# Altium PCB UmTRXv21.PcbDoc (part 4 of 19) (continued)
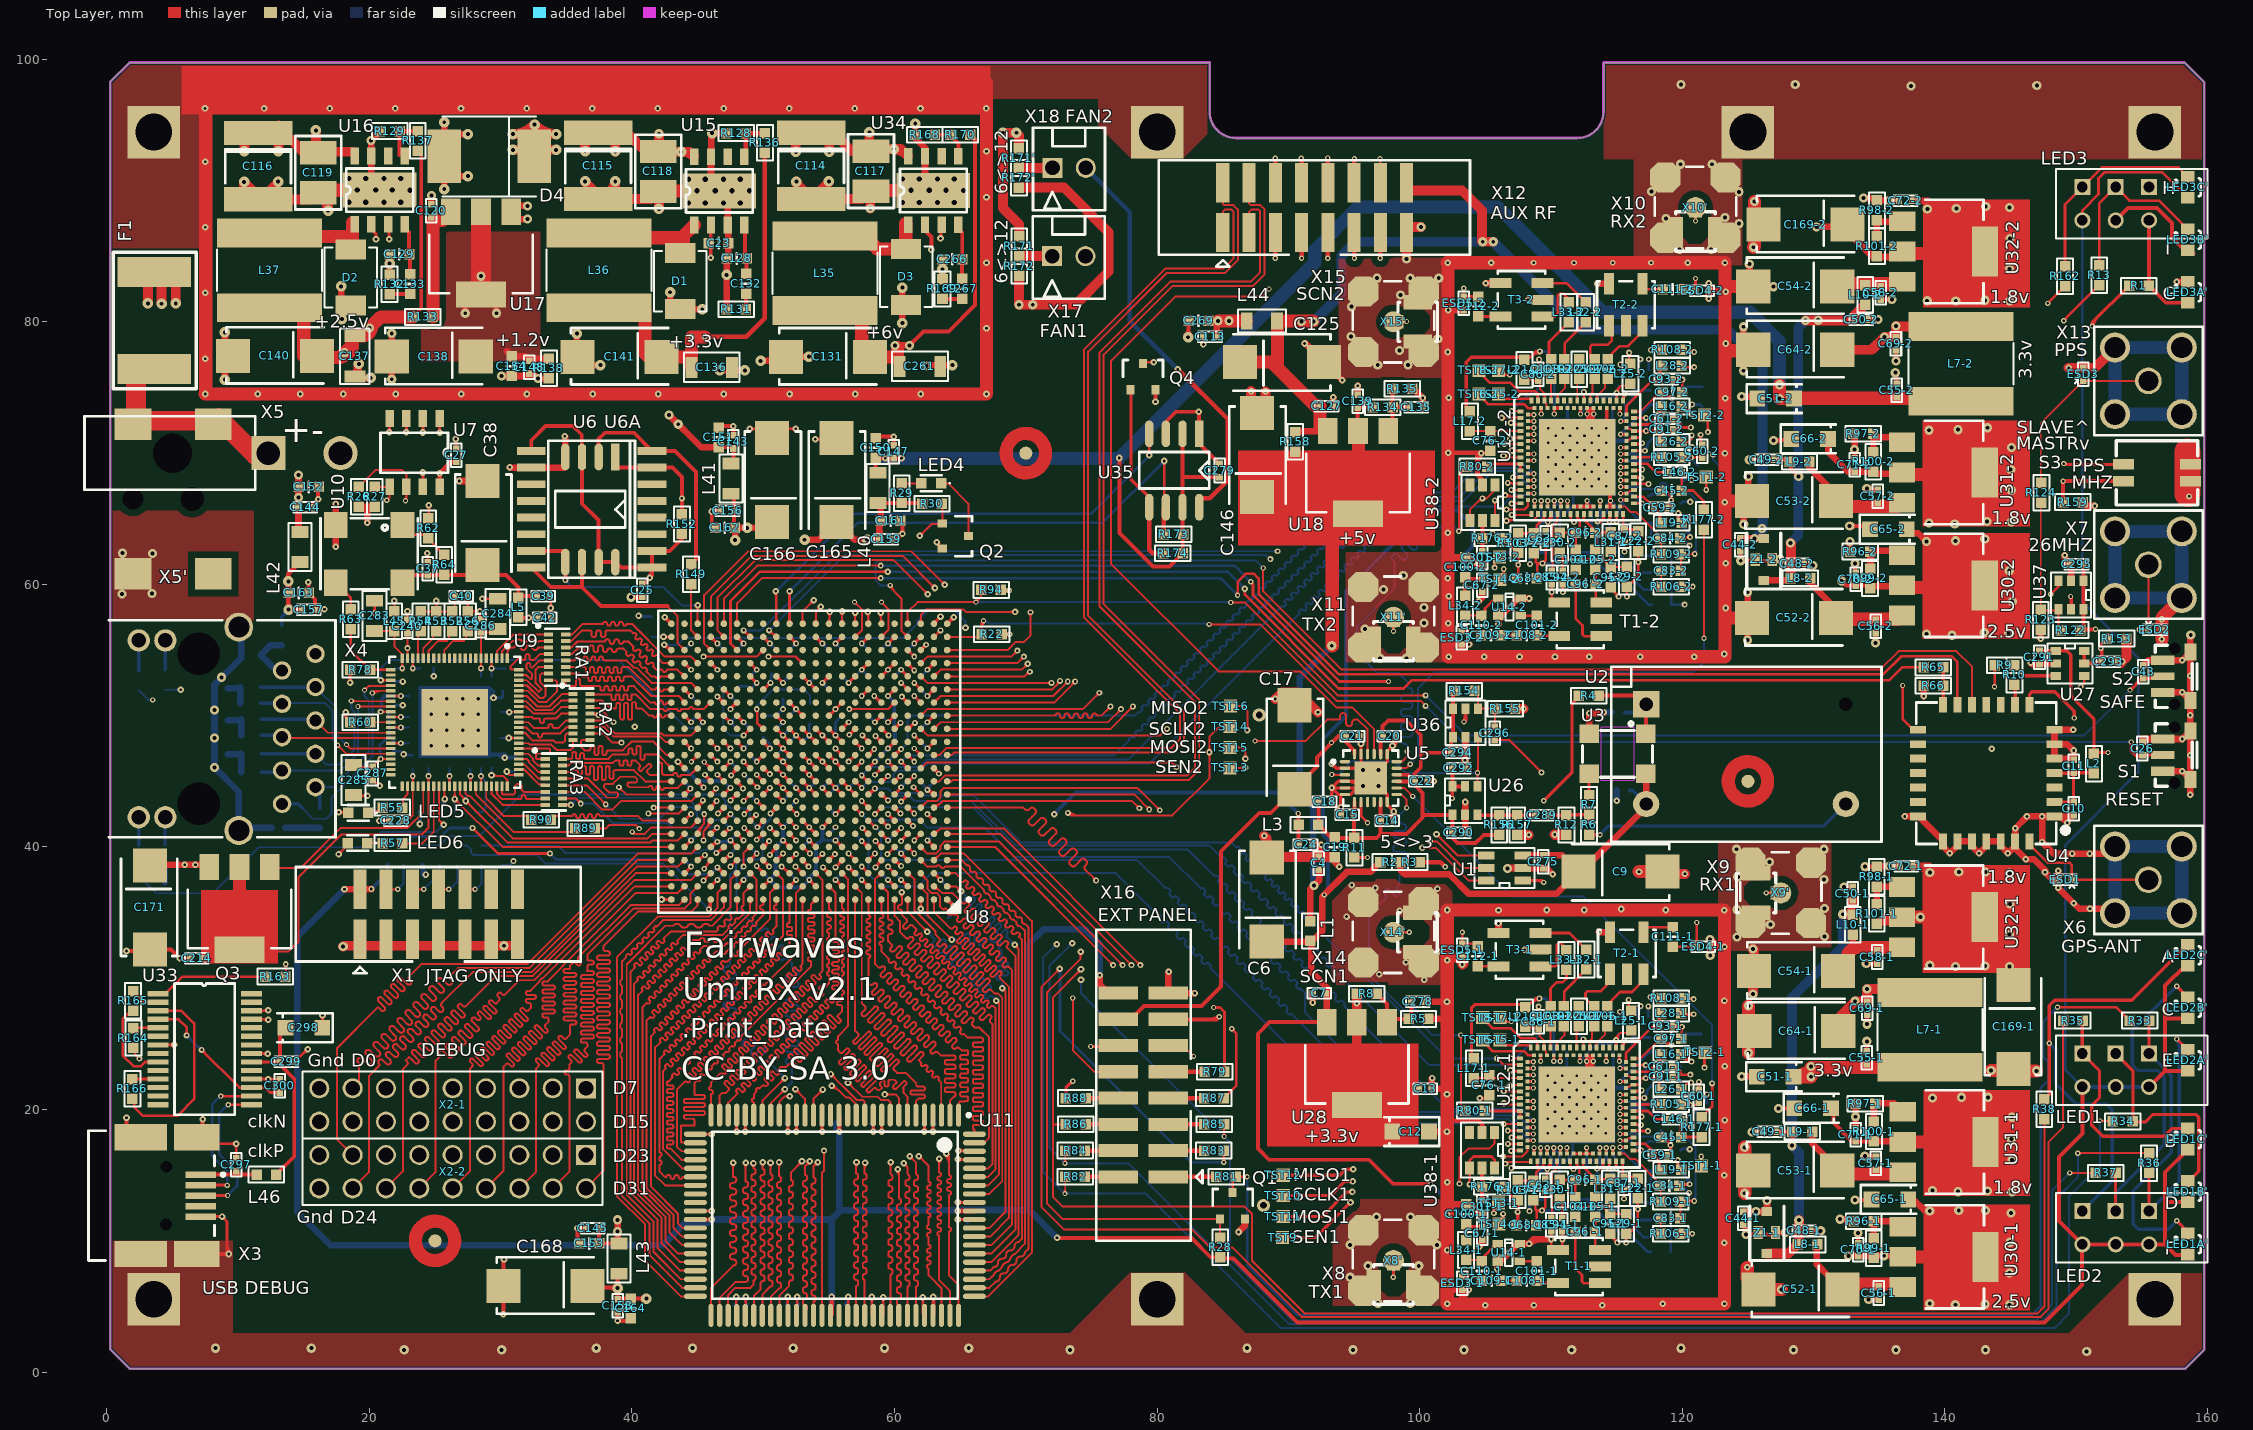
[diagram p0: Top Layer view]
## Nets (pads, with @x,y where several pads share a name; then routed paths per layer and width w, separated by ;. In a path a pad name is that pad's centre, name@x,y a point inside that pad or via, vN(x,y) a via of type N, cw(c..) or ccw(c..) an arc to the next point about the centre after c; other vN are vias at no path point) (continued)
  Bottom Layer w0.15: v4@99.475,43.725 cw(c99.475,43.423) 99.688,43.637 cw(c99.902,43.85) v4@99.6,43.85 ; v4(99.475,43.85) 101.947,41.378 ccw(c102.113,41.544) 102.279,41.378 cw(c102.466,41.19) 102.654,41.378 cw(c102.466,41.19) 102.654,41.003 ccw(c102.82,40.837) 102.654,40.671 107.1,36.225 112.46,36.225 122.275,26.41 v1(122.275,22) ; v1@122.169,22.106 ccw(c121.913,22.362) 122.275,22.362 ccw(c122.637,22.362) v1@122.381,22.106
CLK_PLL2: R177-2.1 U5.17 | length 41.8
  Top Layer w0.15: U5.17@98.25,46 98.975,46 v4(99.275,46.3) ; v4@99.15,46.3 cw(c98.848,46.3) 99.062,46.087 cw(c99.275,45.873) v4@99.275,46.175 ; v4@121.562,55.988 ccw(c121.348,56.202) 121.65,56.202 ccw(c121.952,56.202) v4@121.738,55.988 ; R177-2.1@121.65,64.175 v4(121.65,55.9) v4@121.725,55.825
  Bottom Layer w0.15: v4(99.275,46.3) 99.875,46.9 99.875,52.075 101.1,53.3 120.825,53.3 121.65,54.125 v4(121.65,55.9) ; v4@99.275,46.425 ccw(c99.275,46.727) 99.488,46.513 ccw(c99.702,46.3) v4@99.4,46.3 ; v4@121.562,55.812 cw(c121.348,55.598) 121.65,55.598 cw(c121.952,55.598) v4@121.738,55.812
CLK_TO_MAC: R89.2 U8.K20 | length 15.6
  Top Layer w0.15: R89.2@37.163,41.4 38.01,41.4 38.285,41.675 40.275,41.675 v4(40.55,41.4) ; v4@40.425,41.4 ccw(c40.123,41.4) 40.337,41.613 ccw(c40.55,41.827) v4@40.55,41.525 ; U8.K20@44.969,44.828 cw(c44.883,44.345) v1@45.308,44.59 ; U8.K20@45,44.825 cw(c45,44.451) 45.265,44.715 ; U8.K20@45,45 45,44.98 v1(45.453,44.527) ; U8.K20@45.039,44.829 cw(c45.074,44.671) 45.215,44.752 ; U8.K20@45.167,44.948 ccw(c45.323,44.899) 45.241,44.757 ; U8.K20@45.174,45.018 ccw(c45.636,45.066) v1@45.404,44.664 ; U8.K20@45.175,45 ccw(c45.646,45) v1@45.313,44.667 ; v1@45.303,44.527 ccw(c44.941,44.527) 45.197,44.783 ccw(c45.453,45.039) v1@45.453,44.677 ; U8.K20@45.169,44.955 ccw(c45.373,44.9) 45.19,44.795 cw(c45.373,44.9) U8.K20@45.169,44.955
  Mid-Layer 2 w0.15: v4(40.55,41.4) 42.1,41.4 45.227,44.527 ; v4@40.638,41.312 cw(c40.852,41.098) 40.852,41.4 cw(c40.852,41.702) v4@40.638,41.488 ; 44.812,44.112 cw(c45.453,43.47) v1@45.453,44.377 ; 45.068,44.368 cw(c45.453,43.982) v1(45.453,44.527) 45.227,44.527 ; v1@45.314,44.469 ccw(c45.227,44.432) 45.227,44.527 ; v1@45.314,44.585 cw(c45.227,44.622) 45.227,44.527
CLK_TRX1: R80-1.1 U5.13 | length 41.8
  Top Layer w0.15: U5.13@98.25,44 98.6,44 99,43.6 v4(99,42.975) ; v4@98.912,43.063 ccw(c98.698,43.277) 99,43.277 ccw(c99.302,43.277) v4@99.088,43.063 ; v4@103.037,25.587 cw(c102.823,25.373) 103.125,25.373 cw(c103.427,25.373) v4@103.213,25.587 ; v4(103.125,25.675) 103.125,20.2 R80-1.1@103.712,19.613
  Bottom Layer w0.15: v4@98.875,42.975 cw(c98.573,42.975) 98.787,42.762 cw(c99,42.548) v4@99,42.85 ; v4(99,42.975) 98.475,42.45 98.475,41.994 ccw(c98.709,41.994) 98.709,41.76 cw(c98.709,41.494) 98.975,41.494 cw(c98.709,41.494) 98.709,41.229 98.241,41.229 ccw(c98.241,40.963) 97.975,40.963 ccw(c98.241,40.963) 98.241,40.698 98.709,40.698 cw(c98.709,40.432) 98.975,40.432 cw(c98.709,40.432) 98.709,40.167 98.241,40.167 ccw(c98.241,39.901) 97.975,39.901 ccw(c98.241,39.901) 98.241,39.636 98.709,39.636 cw(c98.709,39.37) 98.975,39.37 cw(c98.709,39.37) 98.709,39.105 98.241,39.105 ccw(c98.241,38.839) 97.975,38.839 ccw(c98.241,38.839) 98.241,38.574 98.709,38.574 cw(c98.709,38.308) 98.975,38.308 cw(c98.709,38.308) 98.709,38.043 ccw(c98.709,37.808) 98.475,37.808 98.475,37.175 98.325,37.025 ccw(c98.486,36.864) 98.325,36.703 98.357,36.671 cw(c98.196,36.511) 98.357,36.35 cw(c98.196,36.511) 98.035,36.35 97.65,36.735 ccw(c97.489,36.575) 97.328,36.735 ccw(c97.489,36.575) 97.328,36.414 97.36,36.382 cw(c97.199,36.221) 97.36,36.06 96.125,34.825 96.125,30.275 98.819,27.581 99.042,27.581 ccw(c99.203,27.742) 99.364,27.581 99.396,27.613 cw(c99.556,27.452) 99.717,27.613 cw(c99.556,27.452) 99.717,27.291 99.685,27.259 ccw(c99.846,27.098) 99.685,26.938 ccw(c99.846,27.098) 100.007,26.938 100.039,26.97 cw(c100.2,26.809) 100.36,26.97 cw(c100.2,26.809) 100.36,26.648 100.328,26.616 ccw(c100.489,26.455) 100.328,26.294 100.948,25.675 101.411,25.675 ccw(c101.411,25.902) 101.638,25.902 101.638,25.948 cw(c101.865,25.948) 101.865,26.175 cw(c101.865,25.948) 102.093,25.948 102.093,25.402 ccw(c102.32,25.402) 102.32,25.175 ccw(c102.32,25.402) 102.548,25.402 102.548,25.448 cw(c102.775,25.448) 102.775,25.675 v4(103.125,25.675) ; v4@103.037,25.587 ccw(c102.823,25.373) 102.823,25.675 ccw(c102.823,25.977) v4@103.037,25.763
CLK_TRX2: R80-2.1 U5.18 | length 42.2
  Top Layer w0.15: U5.18@98.25,46.5 98.65,46.5 99.05,46.9 v4(99.05,47.275) ; v4@98.962,47.187 cw(c98.748,46.973) 99.05,46.973 cw(c99.352,46.973) v4@99.138,47.187 ; v4@102.887,64.138 ccw(c102.673,64.352) 102.975,64.352 ccw(c103.277,64.352) v4@103.063,64.138 ; v4(102.975,64.05) 102.975,68.35 R80-2.1@103.687,69.063
  Bottom Layer w0.15: v4@98.962,47.363 ccw(c98.748,47.577) 99.05,47.577 ccw(c99.352,47.577) v4@99.138,47.363 ; v4(99.05,47.275) 99.05,47.631 ccw(c98.816,47.631) 98.816,47.865 cw(c98.816,48.131) 98.55,48.131 cw(c98.816,48.131) 98.816,48.396 99.185,48.396 ccw(c99.185,48.662) 99.45,48.662 ccw(c99.185,48.662) 99.185,48.927 98.816,48.927 cw(c98.816,49.193) 98.55,49.193 cw(c98.816,49.193) 98.816,49.458 99.185,49.458 ccw(c99.185,49.724) 99.45,49.724 ccw(c99.185,49.724) 99.185,49.989 98.816,49.989 cw(c98.816,50.255) 98.55,50.255 cw(c98.816,50.255) 98.816,50.52 99.185,50.52 ccw(c99.185,50.786) 99.45,50.786 ccw(c99.185,50.786) 99.185,51.051 98.816,51.051 cw(c98.816,51.317) 98.55,51.317 cw(c98.816,51.317) 98.816,51.582 99.185,51.582 ccw(c99.185,51.848) 99.45,51.848 ccw(c99.185,51.848) 99.185,52.113 cw(c99.185,52.248) 99.05,52.248 99.05,52.575 98.375,53.25 96.75,53.25 95.225,54.775 95.225,56.825 98.062,59.662 98.062,61.695 ccw(c98.028,61.729) 98.062,61.764 97.953,61.873 cw(c98.141,62.061) 97.953,62.249 cw(c98.141,62.061) 98.328,62.249 98.472,62.105 98.616,61.961 ccw(c98.804,62.149) 98.991,61.961 ccw(c98.804,62.149) 98.991,62.337 98.848,62.48 98.704,62.624 cw(c98.892,62.812) 98.704,63 cw(c98.892,62.812) 99.079,63 99.223,62.856 99.367,62.712 ccw(c99.555,62.9) 99.742,62.712 ccw(c99.555,62.9) 99.742,63.088 99.599,63.231 99.455,63.375 cw(c99.642,63.563) 99.455,63.751 cw(c99.642,63.563) 99.83,63.751 99.974,63.607 100.14,63.441 ccw(c100.328,63.629) 100.515,63.441 ccw(c100.328,63.629) 100.515,63.817 cw(c100.681,63.982) 100.515,64.148 100.717,64.35 102.675,64.35 v4(102.975,64.05) ; v4@102.85,64.05 ccw(c102.548,64.05) 102.762,64.263 ccw(c102.975,64.477) v4@102.975,64.175
DAC_CLK: U1.5 U8.AB19 | length 99.5
  Top Layer w0.15: U8.AB19@45.876,57.124 ccw(c45.578,57.422) 46,57.422 ccw(c46.422,57.422) U8.AB19@46.124,57.124 ; U8.AB19@46,57 46,59.075 49.075,62.15 60.65,62.15 v2(63.075,59.725) ; v2@62.9,59.725 ccw(c62.478,59.725) 62.776,60.024 ccw(c63.075,60.322) v2@63.075,59.9 ; v2(100.775,40.425) 101.3,40.425 103.325,38.4 U1.5@105.065,38.4
  Mid-Layer 2 w0.15: v2@63.075,59.55 cw(c63.075,59.128) 63.374,59.426 cw(c63.672,59.725) v2@63.25,59.725 ; v2(63.075,59.725) 63.525,59.275 64.875,59.275 65.15,59.55 66.975,59.55 67.925,58.6 67.925,42.175 75,35.1 77.825,35.1 81.475,31.45 81.475,27.6 84.05,25.025 85.625,25.025 87.025,26.425 87.025,26.625 99.675,39.275 100.151,39.275 100.775,39.899 v2(100.775,40.425)
DAC_DIN: U1.4 U8.AA18 | length 100.8
  Top Layer w0.15: U8.AA18@46.825,56 ccw(c46.403,56) 46.701,56.299 ccw(c47,56.597) U8.AA18@47,56.175 ; U8.AA18@47,56 46.5,56.5 46.5,58.975 49.375,61.85 59.925,61.85 v2(62.525,59.25) ; v2@62.35,59.25 ccw(c61.928,59.25) 62.226,59.549 ccw(c62.525,59.847) v2@62.525,59.425 ; v2(101.275,40.975) 102.899,39.351 U1.4@105.065,39.351
  Mid-Layer 2 w0.15: v2@62.525,59.075 cw(c62.525,58.653) 62.824,58.951 cw(c63.122,59.25) v2@62.7,59.25 ; v2(62.525,59.25) 63,58.775 65.4,58.775 65.794,59.169 66.606,59.169 67.55,58.225 67.55,41.625 74.675,34.5 77.325,34.5 79.95,31.875 79.95,28.3 83.75,24.5 85.73,24.5 87.55,26.32 87.55,26.725 99.7,38.875 100.105,38.875 101.275,40.045 v2(101.275,40.975)
DAC_NSY: U1.6 U8.Y19 | length 102.4
  Top Layer w0.15: 45.68,55.308 ccw(c46,55.628) U8.Y19@46,55.175 ; 45.71,55.277 cw(c45.433,55) U8.Y19@45.825,55 ; U8.Y19@45.994,54.994 45.5,55.488 45.5,59.175 48.85,62.525 61.275,62.525 v2(63.825,59.975) ; v2@63.65,59.975 ccw(c63.228,59.975) 63.526,60.274 ccw(c63.825,60.572) v2@63.825,60.15 ; v2(100.2,39.925) 101.225,39.925 103.701,37.449 U1.6@105.065,37.449
  Mid-Layer 2 w0.15: v2(63.825,59.975) 67.325,59.975 68.325,58.975 68.325,42.6 75.325,35.6 78.575,35.6 82.2,31.975 82.2,27.5 84.175,25.525 85.58,25.525 86.525,26.47 86.525,27.401 99.049,39.925 v2(100.2,39.925) ; v2@63.949,59.851 cw(c64.247,59.553) 64.247,59.975 cw(c64.247,60.397) v2@63.949,60.099
DEBUG0: U8.D22 X2-1.15 | length 50.6
  Top Layer w0.15: X2-1.15@18.72,21.62 19.2,22.1 19.2,23.225 ccw(c19.048,23.377) 19.2,23.529 19.15,23.579 cw(c19.302,23.73) 19.15,23.882 cw(c19.302,23.73) 19.454,23.882 19.655,23.68 19.857,23.479 ccw(c20.009,23.631) 20.161,23.479 ccw(c20.009,23.631) 20.161,23.782 19.959,23.984 19.757,24.186 cw(c19.909,24.338) 19.757,24.489 cw(c19.909,24.338) 20.061,24.489 20.263,24.288 20.464,24.086 ccw(c20.616,24.238) 20.768,24.086 ccw(c20.616,24.238) 20.768,24.39 20.566,24.591 20.365,24.793 cw(c20.516,24.945) 20.365,25.097 cw(c20.516,24.945) 20.668,25.097 20.87,24.895 21.072,24.693 ccw(c21.224,24.845) 21.375,24.693 ccw(c21.224,24.845) 21.375,24.997 21.174,25.199 20.972,25.4 cw(c21.124,25.552) 20.972,25.704 cw(c21.124,25.552) 21.275,25.704 21.477,25.502 21.679,25.3 ccw(c21.831,25.452) 21.983,25.3 ccw(c21.831,25.452) 21.983,25.604 21.579,26.008 cw(c21.731,26.159) 21.579,26.311 cw(c21.731,26.159) 21.883,26.311 22.286,25.908 ccw(c22.438,26.06) 22.59,25.908 ccw(c22.438,26.06) 22.59,26.211 22.186,26.615 cw(c22.338,26.767) 22.186,26.918 cw(c22.338,26.767) 22.49,26.918 22.893,26.515 ccw(c23.045,26.667) 23.197,26.515 ccw(c23.045,26.667) 23.197,26.819 22.794,27.222 cw(c22.945,27.374) 22.794,27.526 cw(c22.945,27.374) 23.097,27.526 23.299,27.324 23.501,27.122 ccw(c23.653,27.274) 23.804,27.122 ccw(c23.653,27.274) 23.804,27.426 23.603,27.628 23.401,27.829 cw(c23.553,27.981) 23.401,28.133 cw(c23.553,27.981) 23.705,28.133 23.906,27.931 24.108,27.73 ccw(c24.26,27.881) 24.412,27.73 ccw(c24.26,27.881) 24.412,28.033 24.21,28.235 24.008,28.437 cw(c24.16,28.588) 24.008,28.74 cw(c24.16,28.588) 24.312,28.74 24.514,28.539 24.715,28.337 ccw(c24.867,28.489) 25.019,28.337 ccw(c24.867,28.489) 25.019,28.64 24.817,28.842 24.615,29.044 cw(c24.767,29.196) 24.615,29.348 cw(c24.767,29.196) 24.919,29.348 25.121,29.146 25.323,28.944 ccw(c25.474,29.096) 25.626,28.944 ccw(c25.474,29.096) 25.626,29.248 25.424,29.449 25.223,29.651 cw(c25.375,29.803) 25.223,29.955 cw(c25.375,29.803) 25.526,29.955 25.728,29.753 25.93,29.551 ccw(c26.082,29.703) 26.233,29.551 ccw(c26.082,29.703) 26.233,29.855 26.15,29.938 cw(c26.268,30.057) 26.15,30.175 26.75,30.775 32.175,30.775 40.4,39 U8.D22@43,39 ; U8.D22@42.876,38.876 ccw(c42.578,38.578) 42.578,39 ccw(c42.578,39.422) U8.D22@42.876,39.124
DEBUG1: U8.H19 X2-1.13 | length 52.3
  Top Layer w0.15: U8.H19@45.95,43.05 46.4,43.5 v1(46.45,43.5) ; U8.H19@46,43.175 ccw(c46,43.356) 46.128,43.228 ; U8.H19@46.025,43 cw(c46.302,43) 46.164,43.24 ; U8.H19@46.109,43.209 cw(c46.45,42.867) v1@46.45,43.35 ; U8.H19@46.175,43 cw(c46.839,43) v1@46.369,43.469 ; U8.H19@46.175,43 cw(c46.601,43.001) v1@46.388,43.37 ; 46.229,43.329 ccw(c46.059,43.5) v1@46.3,43.5
  MidLayer1 w0.15: X2-1.13@21.26,21.62 21.26,23.086 ccw(c21.158,23.086) 21.158,23.189 cw(c21.158,23.336) 21.01,23.336 21.01,23.369 cw(c21.158,23.369) 21.158,23.517 21.362,23.517 ccw(c21.362,23.664) 21.51,23.664 21.51,23.697 ccw(c21.362,23.697) 21.362,23.844 21.158,23.844 cw(c21.158,23.992) 21.01,23.992 21.01,24.025 cw(c21.158,24.025) 21.158,24.172 21.362,24.172 ccw(c21.362,24.32) 21.51,24.32 21.51,24.353 ccw(c21.362,24.353) 21.362,24.5 21.158,24.5 cw(c21.158,24.648) 21.01,24.648 21.01,24.68 cw(c21.158,24.68) 21.158,24.828 21.362,24.828 ccw(c21.362,24.975) 21.51,24.975 21.51,25.008 ccw(c21.362,25.008) 21.362,25.156 21.158,25.156 cw(c21.158,25.303) 21.01,25.303 21.01,25.336 cw(c21.158,25.336) 21.158,25.483 21.362,25.483 ccw(c21.362,25.631) 21.51,25.631 21.51,25.664 ccw(c21.362,25.664) 21.362,25.811 21.158,25.811 cw(c21.158,25.959) 21.01,25.959 21.01,25.992 cw(c21.158,25.992) 21.158,26.139 21.362,26.139 ccw(c21.362,26.287) 21.51,26.287 21.51,26.319 ccw(c21.362,26.319) 21.362,26.467 21.158,26.467 cw(c21.158,26.614) 21.01,26.614 21.01,26.647 cw(c21.158,26.647) 21.158,26.795 21.362,26.795 ccw(c21.362,26.942) 21.51,26.942 21.51,26.975 ccw(c21.362,26.975) 21.362,27.122 21.158,27.122 cw(c21.158,27.27) 21.01,27.27 21.01,27.303 cw(c21.158,27.303) 21.158,27.45 21.362,27.45 ccw(c21.362,27.598) 21.51,27.598 21.51,27.631 ccw(c21.362,27.631) 21.362,27.778 21.158,27.778 cw(c21.158,27.926) 21.01,27.926 21.01,27.958 cw(c21.158,27.958) 21.158,28.106 21.362,28.106 ccw(c21.362,28.253) 21.51,28.253 21.51,28.286 ccw(c21.362,28.286) 21.362,28.434 21.158,28.434 cw(c21.158,28.581) 21.01,28.581 21.01,28.614 cw(c21.158,28.614) 21.158,28.761 21.362,28.761 ccw(c21.362,28.909) 21.51,28.909 21.51,28.942 ccw(c21.362,28.942) 21.362,29.089 21.158,29.089 cw(c21.158,29.237) 21.01,29.237 21.01,29.27 cw(c21.158,29.27) 21.158,29.417 ccw(c21.158,29.52) 21.26,29.52 21.26,29.81 21.606,30.156 ccw(c21.533,30.228) 21.606,30.301 cw(c21.71,30.405) 21.606,30.509 21.629,30.533 cw(c21.733,30.428) 21.838,30.533 ccw(c21.91,30.605) 21.983,30.533 22.125,30.675 22.35,30.675 ccw(c22.35,30.777) 22.453,30.777 cw(c22.6,30.777) 22.6,30.925 22.633,30.925 cw(c22.633,30.777) 22.781,30.777 22.781,30.573 ccw(c22.928,30.573) 22.928,30.425 22.961,30.425 ccw(c22.961,30.573) 23.108,30.573 23.108,30.777 cw(c23.256,30.777) 23.256,30.925 23.289,30.925 cw(c23.289,30.777) 23.436,30.777 23.436,30.573 ccw(c23.584,30.573) 23.584,30.425 23.616,30.425 ccw(c23.616,30.573) 23.764,30.573 23.764,30.777 cw(c23.912,30.777) 23.912,30.925 23.944,30.925 cw(c23.944,30.777) 24.092,30.777 ccw(c24.194,30.777) 24.194,30.675 33.325,30.675 37.675,35.025 37.675,36.625 44.05,43 45.95,43 v1(46.45,43.5) ; v1@46.3,43.5 cw(c45.938,43.5) 46.194,43.244 cw(c46.45,42.988) v1@46.45,43.35
DEBUG2: U8.J17 X2-1.11 | length 52.2
  Top Layer w0.15: v1(47.5,43.55) 47.55,43.55 U8.J17@48,44 ; v1@47.5,43.7 ccw(c47.5,44.183) U8.J17@47.841,43.841 ; v1@47.596,43.7 ccw(c47.357,44.114) U8.J17@47.828,44.03 ; v1@47.65,43.55 cw(c47.891,43.55) 47.721,43.721 ; 47.784,43.809 cw(c47.897,43.614) U8.J17@47.955,43.831 ; U8.J17@47.825,44 cw(c47.403,44) 47.701,43.701 cw(c48,43.403) U8.J17@48,43.825
  MidLayer1 w0.15: X2-1.11@23.8,21.62 23.8,23.336 ccw(c23.698,23.336) 23.698,23.439 cw(c23.698,23.586) 23.55,23.586 23.55,23.619 cw(c23.698,23.619) 23.698,23.767 23.902,23.767 ccw(c23.902,23.914) 24.05,23.914 24.05,23.947 ccw(c23.902,23.947) 23.902,24.094 23.698,24.094 cw(c23.698,24.242) 23.55,24.242 23.55,24.275 cw(c23.698,24.275) 23.698,24.422 23.902,24.422 ccw(c23.902,24.57) 24.05,24.57 24.05,24.603 ccw(c23.902,24.603) 23.902,24.75 23.698,24.75 cw(c23.698,24.898) 23.55,24.898 23.55,24.93 cw(c23.698,24.93) 23.698,25.078 23.902,25.078 ccw(c23.902,25.225) 24.05,25.225 24.05,25.258 ccw(c23.902,25.258) 23.902,25.406 23.698,25.406 cw(c23.698,25.553) 23.55,25.553 23.55,25.586 cw(c23.698,25.586) 23.698,25.733 23.902,25.733 ccw(c23.902,25.881) 24.05,25.881 24.05,25.914 ccw(c23.902,25.914) 23.902,26.061 23.698,26.061 cw(c23.698,26.209) 23.55,26.209 23.55,26.242 cw(c23.698,26.242) 23.698,26.389 23.902,26.389 ccw(c23.902,26.537) 24.05,26.537 24.05,26.569 ccw(c23.902,26.569) 23.902,26.717 23.698,26.717 cw(c23.698,26.864) 23.55,26.864 23.55,26.897 cw(c23.698,26.897) 23.698,27.045 23.902,27.045 ccw(c23.902,27.192) 24.05,27.192 24.05,27.225 ccw(c23.902,27.225) 23.902,27.372 23.698,27.372 cw(c23.698,27.52) 23.55,27.52 23.55,27.553 cw(c23.698,27.553) 23.698,27.7 ccw(c23.698,27.803) 23.8,27.803 23.8,28.075 23.959,28.234 ccw(c23.887,28.307) 23.959,28.379 cw(c24.064,28.484) 23.959,28.588 23.982,28.611 cw(c24.087,28.507) 24.191,28.611 24.336,28.466 ccw(c24.44,28.57) 24.545,28.466 24.568,28.489 ccw(c24.464,28.594) 24.568,28.698 cw(c24.64,28.77) 24.568,28.843 24.875,29.15 25.236,29.15 ccw(c25.236,29.252) 25.339,29.252 cw(c25.486,29.252) 25.486,29.4 25.519,29.4 cw(c25.519,29.252) 25.667,29.252 25.667,29.048 ccw(c25.814,29.048) 25.814,28.9 25.847,28.9 ccw(c25.847,29.048) 25.994,29.048 25.994,29.252 cw(c26.142,29.252) 26.142,29.4 26.175,29.4 cw(c26.175,29.252) 26.322,29.252 26.322,29.048 ccw(c26.47,29.048) 26.47,28.9 26.503,28.9 ccw(c26.503,29.048) 26.65,29.048 26.65,29.252 cw(c26.798,29.252) 26.798,29.4 26.83,29.4 cw(c26.83,29.252) 26.978,29.252 26.978,29.048 ccw(c27.125,29.048) 27.125,28.9 27.158,28.9 ccw(c27.158,29.048) 27.306,29.048 27.306,29.252 cw(c27.453,29.252) 27.453,29.4 27.486,29.4 cw(c27.486,29.252) 27.633,29.252 27.633,29.048 ccw(c27.781,29.048) 27.781,28.9 27.814,28.9 ccw(c27.814,29.048) 27.961,29.048 27.961,29.252 cw(c28.109,29.252) 28.109,29.4 28.142,29.4 cw(c28.142,29.252) 28.289,29.252 28.289,29.048 ccw(c28.437,29.048) 28.437,28.9 28.469,28.9 ccw(c28.469,29.048) 28.617,29.048 28.617,29.252 cw(c28.764,29.252) 28.764,29.4 28.797,29.4 cw(c28.797,29.252) 28.945,29.252 28.945,29.048 ccw(c29.092,29.048) 29.092,28.9 29.125,28.9 ccw(c29.125,29.048) 29.272,29.048 29.272,29.252 cw(c29.42,29.252) 29.42,29.4 29.453,29.4 cw(c29.453,29.252) 29.6,29.252 29.6,29.048 ccw(c29.748,29.048) 29.748,28.9 29.781,28.9 ccw(c29.781,29.048) 29.928,29.048 cw(c30.031,29.048) 30.031,29.15 33.95,29.15 38.975,34.175 38.975,36.832 43.993,41.85 45.769,41.85 46.069,42.15 46.8,42.15 47,42.35 47,43.05 v1(47.5,43.55) ; v1@47.35,43.55 cw(c46.988,43.55) 47.244,43.294 cw(c47.5,43.038) v1@47.5,43.4
DEBUG3: U8.H16 X2-1.9 | length 52
  Top Layer w0.15: v1(48.55,42.5) 48.55,42.55 U8.H16@49,43 ; v1@48.55,42.65 ccw(c48.55,42.891) 48.721,42.721 ; v1@48.7,42.5 cw(c49.183,42.5) U8.H16@48.841,42.841 ; v1@48.7,42.596 cw(c49.114,42.357) U8.H16@49.03,42.828 ; 48.809,42.784 ccw(c48.614,42.897) U8.H16@48.831,42.955 ; U8.H16@48.825,43 cw(c48.403,43) 48.701,42.701 cw(c49,42.403) U8.H16@49,42.825
  MidLayer1 w0.15: X2-1.9@26.34,21.62 26.34,23.141 ccw(c26.192,23.141) 26.192,23.289 25.988,23.289 cw(c25.988,23.436) 25.84,23.436 25.84,23.469 cw(c25.988,23.469) 25.988,23.617 26.692,23.617 ccw(c26.692,23.764) 26.84,23.764 26.84,23.797 ccw(c26.692,23.797) 26.692,23.944 25.988,23.944 cw(c25.988,24.092) 25.84,24.092 25.84,24.125 cw(c25.988,24.125) 25.988,24.272 26.692,24.272 ccw(c26.692,24.42) 26.84,24.42 26.84,24.453 ccw(c26.692,24.453) 26.692,24.6 25.988,24.6 cw(c25.988,24.748) 25.84,24.748 25.84,24.78 cw(c25.988,24.78) 25.988,24.928 26.692,24.928 ccw(c26.692,25.075) 26.84,25.075 26.84,25.108 ccw(c26.692,25.108) 26.692,25.256 25.988,25.256 cw(c25.988,25.403) 25.84,25.403 25.84,25.436 cw(c25.988,25.436) 25.988,25.583 26.692,25.583 ccw(c26.692,25.731) 26.84,25.731 26.84,25.764 ccw(c26.692,25.764) 26.692,25.911 26.488,25.911 cw(c26.488,26.059) 26.34,26.059 26.34,26.24 26.624,26.524 ccw(c26.52,26.628) 26.624,26.733 26.479,26.878 cw(c26.583,26.982) 26.479,27.086 26.502,27.109 cw(c26.607,27.005) 26.711,27.109 26.92,26.9 ccw(c26.96,26.94) 27,26.9 27.2,27.1 27.468,27.1 ccw(c27.468,27.259) 27.627,27.259 27.627,27.429 cw(c27.786,27.429) 27.786,27.588 27.821,27.588 cw(c27.821,27.429) 27.98,27.429 27.98,26.771 ccw(c28.139,26.771) 28.139,26.612 28.174,26.612 ccw(c28.174,26.771) 28.333,26.771 28.333,27.429 cw(c28.492,27.429) 28.492,27.588 28.527,27.588 cw(c28.527,27.429) 28.686,27.429 28.686,26.771 ccw(c28.845,26.771) 28.845,26.612 28.88,26.612 ccw(c28.88,26.771) 29.039,26.771 29.039,27.429 cw(c29.198,27.429) 29.198,27.588 29.234,27.588 cw(c29.234,27.429) 29.393,27.429 29.393,26.771 ccw(c29.552,26.771) 29.552,26.612 29.587,26.612 ccw(c29.587,26.771) 29.746,26.771 29.746,27.429 cw(c29.905,27.429) 29.905,27.588 29.94,27.588 cw(c29.94,27.429) 30.099,27.429 30.099,27.1 33.45,27.1 40.35,34 40.35,37.1 44.327,41.077 46.644,41.077 46.878,41.311 46.878,41.419 47.284,41.825 47.875,41.825 v1(48.55,42.5) ; v1@48.4,42.5 cw(c48.038,42.5) 48.294,42.244 cw(c48.55,41.988) v1@48.55,42.35
DEBUG4: U8.D20 X2-1.7 | length 52.5
  Top Layer w0.15: U8.D20@45,39.175 ccw(c45,39.839) v1@45.469,39.369 ; U8.D20@45.045,39.169 ccw(c45.17,39.633) v1@45.41,39.217 ; U8.D20@45.05,38.95 45.489,39.389 v1(45.55,39.389) ; U8.D20@45.169,38.955 cw(c45.521,38.86) 45.339,39.176 ; U8.D20@45.175,39 cw(c45.356,39) 45.228,39.128 ; U8.D20@45.19,39.09 cw(c45.55,38.731) v1@45.55,39.239 ; 45.337,39.237 ccw(c45.184,39.389) v1@45.4,39.389
  MidLayer1 w0.15: X2-1.7@28.88,21.62 28.88,23.105 29.137,23.362 ccw(c29.025,23.475) 29.137,23.587 29.009,23.716 cw(c29.121,23.828) 29.009,23.941 29.034,23.966 cw(c29.146,23.853) 29.258,23.966 29.741,23.483 ccw(c29.853,23.596) 29.966,23.483 29.991,23.508 ccw(c29.878,23.621) 29.991,23.733 29.749,23.974 29.508,24.216 cw(c29.621,24.328) 29.508,24.44 29.533,24.465 cw(c29.646,24.353) 29.758,24.465 30.24,23.983 ccw(c30.353,24.095) 30.465,23.983 30.49,24.008 ccw(c30.378,24.12) 30.49,24.233 30.008,24.715 cw(c30.12,24.827) 30.008,24.94 30.033,24.965 cw(c30.145,24.852) 30.257,24.965 30.499,24.724 30.74,24.482 ccw(c30.852,24.595) 30.965,24.482 30.99,24.507 ccw(c30.877,24.62) 30.99,24.732 30.861,24.861 cw(c30.973,24.973) 30.861,25.086 31.075,25.3 34.2,25.3 34.464,25.564 ccw(c34.353,25.675) 34.464,25.786 cw(c34.576,25.898) 34.464,26.011 34.489,26.035 cw(c34.601,25.923) 34.714,26.035 34.825,25.925 35.062,25.687 ccw(c35.175,25.799) 35.287,25.687 35.312,25.712 ccw(c35.2,25.824) 35.312,25.937 35.074,26.174 34.967,26.282 cw(c35.079,26.394) 34.967,26.506 34.992,26.531 cw(c35.104,26.419) 35.217,26.531 35.324,26.424 35.562,26.187 ccw(c35.674,26.299) 35.787,26.187 35.811,26.211 ccw(c35.699,26.324) 35.811,26.436 35.574,26.674 35.467,26.781 cw(c35.579,26.894) 35.467,27.006 35.492,27.031 cw(c35.604,26.919) 35.716,27.031 35.824,26.924 36.061,26.686 ccw(c36.174,26.798) 36.286,26.686 36.311,26.711 ccw(c36.199,26.823) 36.311,26.936 36.073,27.173 35.966,27.281 cw(c36.078,27.393) 35.966,27.505 35.991,27.53 cw(c36.103,27.418) 36.216,27.53 36.323,27.423 36.561,27.186 ccw(c36.673,27.298) 36.786,27.186 36.81,27.21 ccw(c36.698,27.323) 36.81,27.435 36.573,27.673 36.466,27.78 cw(c36.578,27.893) 36.466,28.005 36.491,28.03 cw(c36.603,27.918) 36.715,28.03 36.823,27.923 37.06,27.685 ccw(c37.173,27.797) 37.285,27.685 37.31,27.71 ccw(c37.198,27.822) 37.31,27.935 37.072,28.172 36.965,28.28 cw(c37.077,28.392) 36.965,28.504 36.99,28.529 cw(c37.102,28.417) 37.215,28.529 37.322,28.422 37.56,28.185 ccw(c37.672,28.297) 37.785,28.185 37.809,28.209 ccw(c37.697,28.322) 37.809,28.434 37.572,28.672 37.465,28.779 cw(c37.577,28.892) 37.465,29.004 37.49,29.029 cw(c37.602,28.917) 37.714,29.029 37.822,28.922 38.059,28.684 ccw(c38.172,28.796) 38.284,28.684 38.309,28.709 ccw(c38.197,28.821) 38.309,28.934 38.071,29.171 37.964,29.279 cw(c38.076,29.391) 37.964,29.503 37.989,29.528 cw(c38.101,29.416) 38.214,29.528 38.559,29.184 ccw(c38.671,29.296) 38.784,29.184 38.808,29.208 ccw(c38.696,29.321) 38.808,29.433 38.571,29.671 38.464,29.778 cw(c38.576,29.891) 38.464,30.003 38.489,30.028 cw(c38.601,29.916) 38.713,30.028 38.821,29.921 39.058,29.683 ccw(c39.171,29.795) 39.283,29.683 39.308,29.708 ccw(c39.196,29.82) 39.308,29.933 39.07,30.17 38.963,30.278 cw(c39.075,30.39) 38.963,30.502 38.988,30.527 cw(c39.1,30.415) 39.213,30.527 39.32,30.42 39.558,30.183 ccw(c39.67,30.295) 39.783,30.183 39.807,30.207 ccw(c39.695,30.32) 39.807,30.432 39.57,30.67 39.463,30.777 cw(c39.575,30.89) 39.463,31.002 39.488,31.027 cw(c39.6,30.915) 39.712,31.027 39.82,30.92 40.057,30.682 ccw(c40.17,30.794) 40.282,30.682 40.307,30.707 ccw(c40.195,30.819) 40.307,30.932 40.069,31.169 39.962,31.277 cw(c40.074,31.389) 39.962,31.501 39.987,31.526 cw(c40.099,31.414) 40.212,31.526 40.319,31.419 40.557,31.182 ccw(c40.669,31.294) 40.782,31.182 40.806,31.206 ccw(c40.694,31.319) 40.806,31.431 40.569,31.669 40.462,31.776 cw(c40.574,31.889) 40.462,32.001 40.487,32.026 cw(c40.599,31.914) 40.708,32.029 ; 45.251,39.749 cw(c44.891,39.389) v1@45.4,39.389 ; 45.397,39.603 ccw(c45.55,39.755) v1@45.55,39.539 ; v1(45.55,39.389) 45.55,39.45 45.25,39.75 44.2,39.75 41.7,37.25 41.7,32.8 40.929,32.029 cw(c40.819,32.14) 40.711,32.026 ; 40.708,32.029 ccw(c40.819,32.14) 40.711,32.026 ; 40.708,32.029 cw(c40.599,31.914) 40.711,32.026 ; 40.708,32.029 40.711,32.026
DEBUG5: U8.F17 X2-1.5 | length 52.3
  Top Layer w0.15: U8.F17@48,40.825 cw(c48,40.403) 48.299,40.701 cw(c48.597,41) U8.F17@48.175,41 ; U8.F17@48,41 48.301,40.699 ; v1@48.35,40.5 ccw(c47.988,40.5) 48.244,40.756 ccw(c48.5,41.012) v1@48.5,40.65 ; v1(48.5,40.5) 48.301,40.699 ; 48.301,40.699 cw(c48.166,40.565) 48.353,40.529 ccw(c48.166,40.565) 48.301,40.699 ; 48.301,40.699 ccw(c48.435,40.834) 48.471,40.647 cw(c48.435,40.834) 48.301,40.699
  MidLayer1 w0.15: X2-1.5@31.42,21.62 31.42,22.72 32.65,23.95 36.225,23.95 36.437,24.162 ccw(c36.325,24.275) 36.437,24.387 36.309,24.516 cw(c36.421,24.628) 36.309,24.741 36.334,24.766 cw(c36.446,24.653) 36.558,24.766 37.041,24.283 ccw(c37.153,24.396) 37.266,24.283 37.291,24.308 ccw(c37.178,24.421) 37.291,24.533 37.049,24.774 36.808,25.016 cw(c36.921,25.128) 36.808,25.24 36.833,25.265 cw(c36.946,25.153) 37.058,25.265 37.54,24.783 ccw(c37.653,24.895) 37.765,24.783 37.79,24.808 ccw(c37.678,24.92) 37.79,25.033 37.308,25.515 cw(c37.42,25.627) 37.308,25.74 37.333,25.765 cw(c37.445,25.652) 37.557,25.765 37.799,25.524 38.04,25.282 ccw(c38.152,25.395) 38.265,25.282 38.29,25.307 ccw(c38.177,25.42) 38.29,25.532 38.048,25.773 37.807,26.015 cw(c37.92,26.127) 37.807,26.239 37.832,26.264 cw(c37.945,26.152) 38.057,26.264 38.539,25.782 ccw(c38.652,25.894) 38.764,25.782 38.789,25.807 ccw(c38.677,25.919) 38.789,26.032 38.307,26.514 cw(c38.419,26.626) 38.307,26.739 38.332,26.764 cw(c38.444,26.651) 38.556,26.764 38.798,26.523 39.039,26.281 ccw(c39.151,26.394) 39.264,26.281 39.289,26.306 ccw(c39.176,26.419) 39.289,26.531 39.047,26.772 38.806,27.014 cw(c38.919,27.126) 38.806,27.238 38.831,27.263 cw(c38.944,27.151) 39.056,27.263 39.538,26.781 ccw(c39.651,26.893) 39.763,26.781 39.788,26.806 ccw(c39.676,26.918) 39.788,27.031 39.306,27.513 cw(c39.418,27.625) 39.306,27.738 39.331,27.763 cw(c39.443,27.65) 39.555,27.763 39.797,27.522 40.038,27.28 ccw(c40.15,27.393) 40.263,27.28 40.288,27.305 ccw(c40.175,27.418) 40.288,27.53 40.046,27.771 39.805,28.013 cw(c39.918,28.125) 39.805,28.237 39.83,28.262 cw(c39.943,28.15) 40.055,28.262 40.537,27.78 ccw(c40.65,27.892) 40.762,27.78 40.787,27.805 ccw(c40.675,27.917) 40.787,28.03 40.305,28.512 cw(c40.417,28.624) 40.305,28.737 40.33,28.762 cw(c40.442,28.649) 40.554,28.762 40.796,28.521 41.037,28.279 ccw(c41.149,28.392) 41.262,28.279 41.287,28.304 ccw(c41.174,28.417) 41.287,28.529 40.804,29.012 cw(c40.917,29.124) 40.804,29.236 40.829,29.261 cw(c40.942,29.149) 41.054,29.261 41.536,28.779 ccw(c41.649,28.891) 41.761,28.779 41.786,28.804 ccw(c41.674,28.916) 41.786,29.029 41.545,29.27 41.304,29.511 cw(c41.416,29.623) 41.304,29.736 41.329,29.761 cw(c41.441,29.648) 41.553,29.761 41.795,29.52 42.036,29.278 ccw(c42.148,29.391) 42.261,29.278 42.286,29.303 ccw(c42.173,29.416) 42.286,29.528 41.803,30.011 cw(c41.916,30.123) 41.803,30.235 41.828,30.26 cw(c41.941,30.148) 42.053,30.26 42.182,30.132 ccw(c42.294,30.244) 42.407,30.132 43.225,30.95 43.225,37.075 44.05,37.9 44.501,37.9 44.925,38.324 44.925,38.33 45.334,38.739 46.089,38.739 46.35,39 46.516,39 46.85,39.334 46.85,39.725 47.225,40.1 48.1,40.1 v1(48.5,40.5) ; v1@48.35,40.5 cw(c47.988,40.5) 48.244,40.244 cw(c48.5,39.988) v1@48.5,40.35